# Altium PCB SEG_pressure gauge_don  V2.4.PcbDoc (part 3 of 4) (continued)
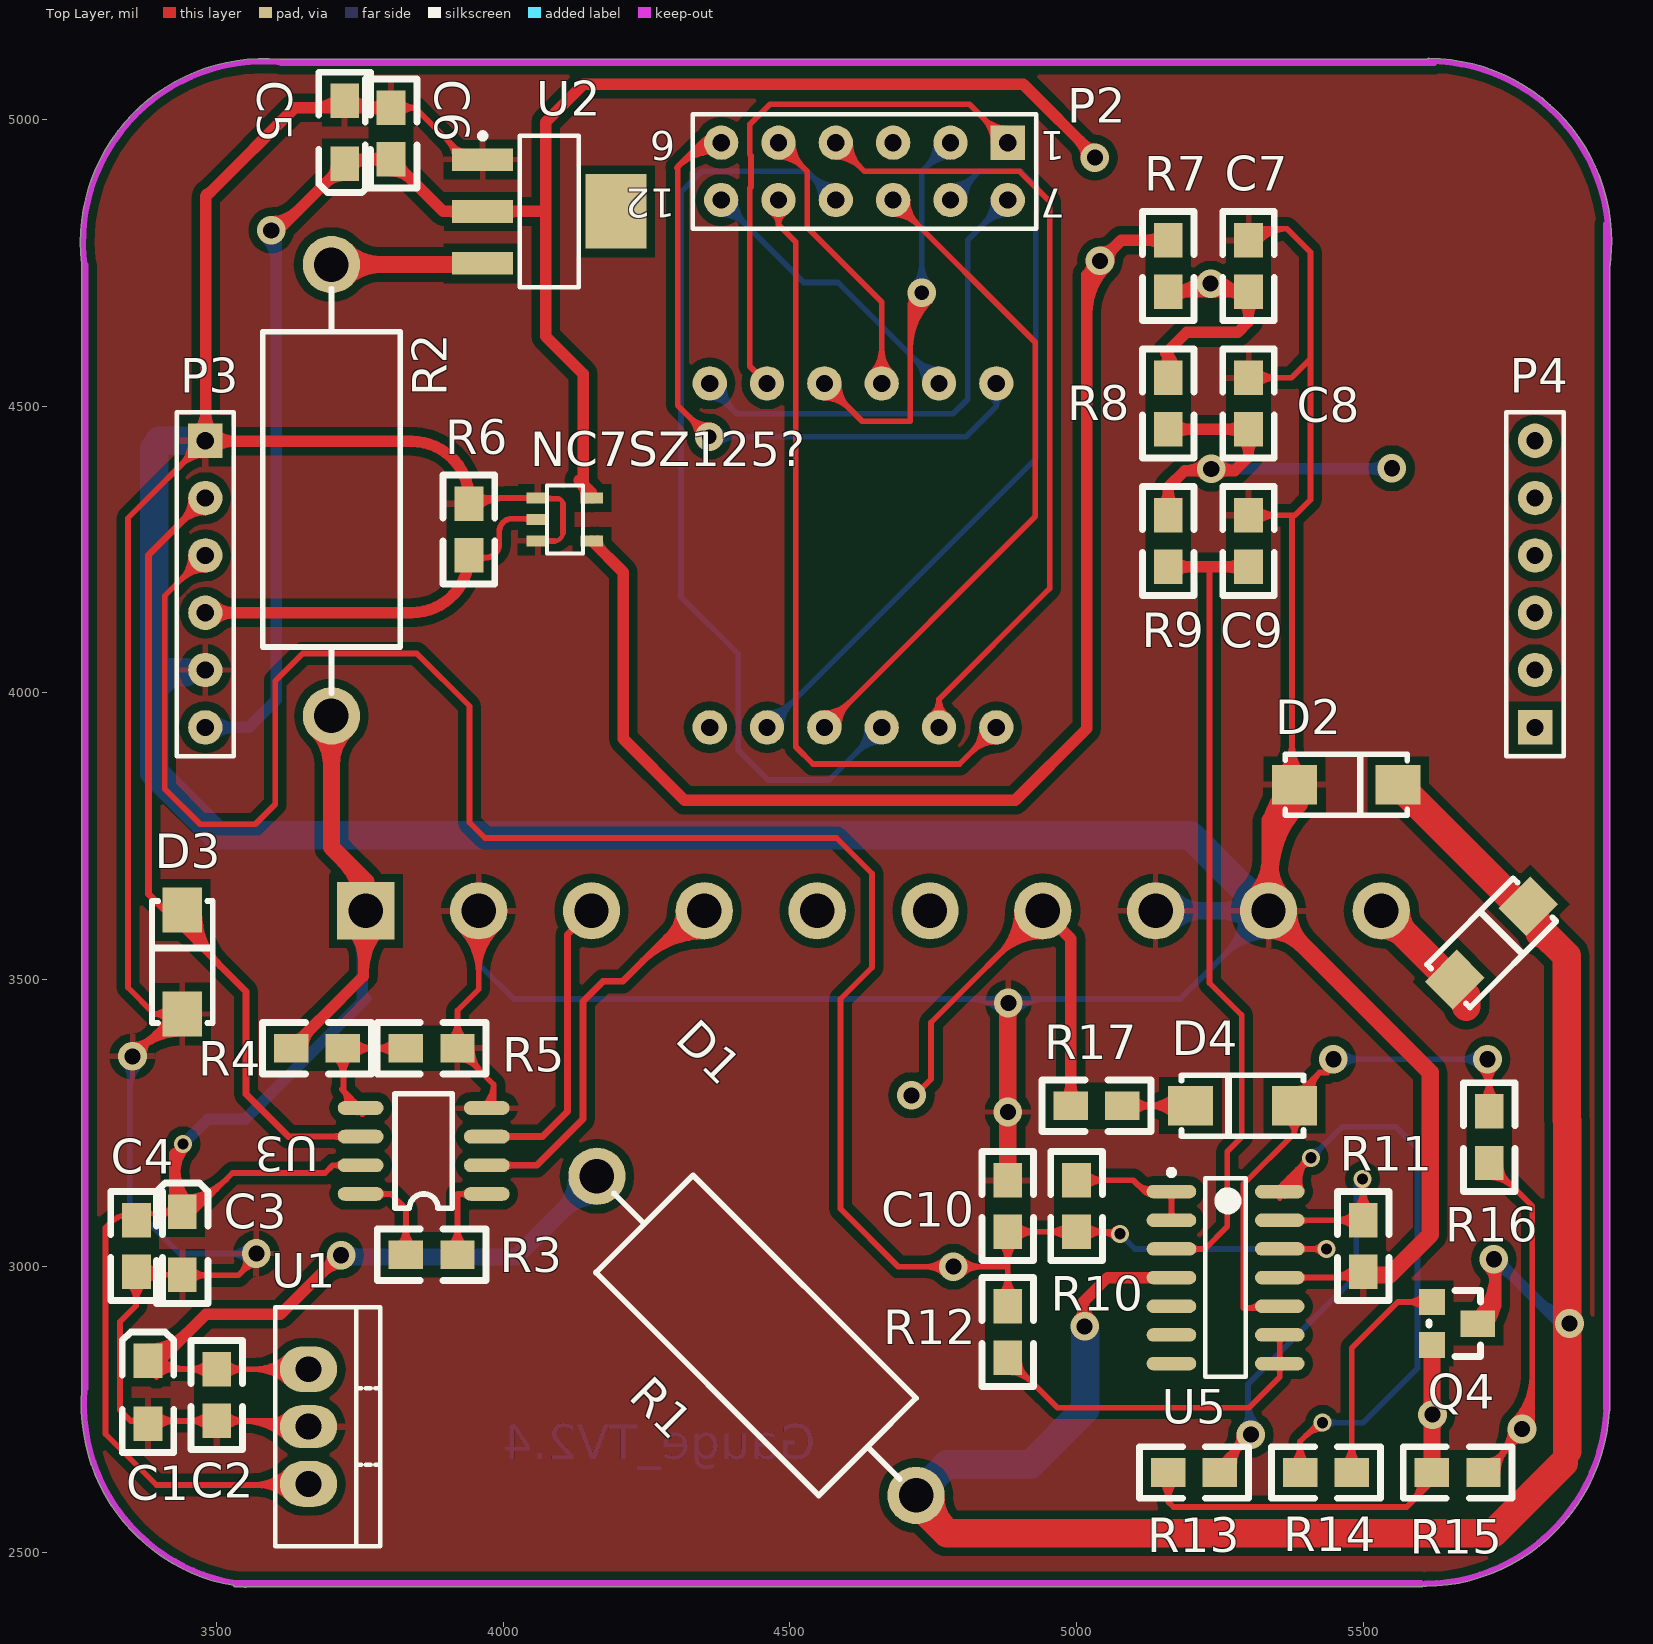
[diagram p0: Top Layer view]
## Nets (pads, with @x,y where several pads share a name; then routed paths per layer and width w, separated by ;. In a path a pad name is that pad's centre, name@x,y a point inside that pad or via, vN(x,y) a via of type N, cw(c..) or ccw(c..) an arc to the next point about the centre after c; other vN are vias at no path point) (continued)
NetR10_2: R10.2 U5.1 U5.2 | length 419.6
  Top Layer w10: R10.2@5000,3150 5099,3150 5119,3130 ; R10.2@5014.14,3135.86 cw(c5048.28,3101.72) 5048.28,3150 cw(c5048.28,3198.28) R10.2@5014.14,3164.14 ; 5106.51,3142.49 ccw(c5124.08,3160.06) U5.1@5131.88,3136.47 ; 5117.98,3131.02 ccw(c5129.78,3142.81) U5.1@5135.02,3126.97 ; U5.1@5128.89,3125.51 ccw(c5119,3116.86) 5119,3130 ; U5.1@5128.89,3134.49 cw(c5119,3143.14) 5119,3130 ; U5.2@5160.7,3084.82 ccw(c5149.07,3096.44) 5165.51,3096.44 ccw(c5181.95,3096.44) U5.2@5170.33,3084.82 ; U5.1@5160.7,3125.18 cw(c5149.07,3113.56) 5165.51,3113.56 cw(c5181.95,3113.56) U5.1@5170.33,3125.18 ; U5.2@5165.51,3080 U5.1@5165.51,3130 5119,3130
NetR11_1: R11.1 R13.2 U5.13 | length 1464.6
  Top Layer w10: R13.2@5250,2640 5250,2655 5296,2701 ccw(c5347.79,2649.21) R13.2@5274.9,2641.97 ; R13.2@5255,2640 cw(c5293.43,2643.81) 5266.12,2671.12 ; 5264.74,2669.74 cw(c5304,2630.47) v1@5304,2686 ; R13.2@5264.95,2640.99 cw(c5320.61,2646.51) 5281.06,2686.06 ; 5271.98,2676.98 ccw(c5242.96,2706) v1@5284,2706 ; 5281.81,2686.81 cw(c5304,2664.62) v1@5304,2696 ; U5.13@5384.49,3080 R11.1@5500,3080 v2@5500,3151 ; U5.13@5390.8,3075.18 cw(c5402.43,3063.56) 5402.43,3080 cw(c5402.43,3096.44) U5.13@5390.8,3084.82 ; R11.1@5485.86,3065.86 ccw(c5451.72,3031.72) 5451.72,3080 ccw(c5451.72,3128.28) R11.1@5485.86,3094.14 ; R11.1@5485.86,3099.14 ccw(c5451.72,3133.28) 5500,3133.28 ccw(c5548.28,3133.28) R11.1@5514.14,3099.14 ; v2@5491.4,3144.4 cw(c5470.64,3123.64) 5500,3123.64 ; 5500,3128.47 cw(c5522.53,3128.47) v2@5506.6,3144.4
  Bottom Layer w10: v1@5289.86,2720.14 ccw(c5267.79,2742.21) 5299,2742.21 ccw(c5340.21,2742.21) v1@5311.07,2713.07 ; v1@5299,2693 5299,2794 5488,2983 5488,3141 v2(5499,3152) ; 5299,2766.36 ccw(c5364.36,2766.36) v1@5318.14,2720.14 ; 5488,3099.5 cw(c5551.5,3099.5) v2@5506.6,3144.4 ; 5488,3123.64 cw(c5527.36,3123.64) v2@5499.53,3151.47
  other v1: 5304,2706
NetR12_1: R12.1 U5.8 U5.9 | length 788
  Top Layer w10: R12.1@4880,2815 cw(c4880,2754.64) 4922.68,2797.32 ; R12.1@4880,2825 cw(c4880,2788.79) 4905.61,2814.39 ; R12.1@4880,2840 4967,2753 5301,2753 5354.49,2806.49 5354.49,2824 U5.8@5354.49,2830 U5.9@5354.49,2880 ; R12.1@4900,2835 ccw(c4936.21,2835) 4910.61,2809.39 ; U5.8@5349.67,2825.18 cw(c5338.05,2813.56) 5354.49,2813.56 cw(c5370.93,2813.56) U5.8@5359.3,2825.18 ; U5.8@5349.67,2834.82 ccw(c5338.05,2846.44) 5354.49,2846.44 ccw(c5370.93,2846.44) U5.8@5359.3,2834.82 ; U5.9@5349.67,2875.18 cw(c5338.05,2863.56) 5354.49,2863.56 cw(c5370.93,2863.56) U5.9@5359.3,2875.18
NetR14_2: R14.2 U5.14 | length 1436.4
  Top Layer w10: U5.14@5354.49,3130 U5.14@5354.49,3137.49 ; U5.14@5354.7,3118.91 cw(c5376.69,3126.7) 5360.19,3143.19 5405,3188 ccw(c5442.83,3150.16) U5.14@5392.4,3132.28 ; U5.14@5364.13,3122.25 cw(c5393.22,3132.57) 5371.39,3154.39 ; U5.14@5373.55,3125.59 cw(c5409.76,3138.43) 5382.6,3165.6 ; R14.2@5375.86,2654.14 ccw(c5341.72,2688.28) 5390,2688.28 ccw(c5438.28,2688.28) R14.2@5404.14,2654.14 ; U5.14@5382.98,3128.93 cw(c5426.3,3144.3) 5393.8,3176.8 ; 5385.53,3168.53 cw(c5409,3145.06) v4@5409,3178.25 ; R14.2@5390,2640 5390,2694 v4@5421,2725 ; 5392.77,3175.77 ccw(c5379.55,3189) v4@5398.25,3189 ; 5400.41,2704.41 cw(c5429,2675.82) v4@5429,2716.25 ; 5414.89,2718.89 ccw(c5406.79,2727) v4@5418.25,2727
  Bottom Layer w10: v4(5409,3189) 5463,3243 5557,3243 5595,3205 5595,2822 5500,2727 v4(5429,2727) ; v4@5409,3199.75 ccw(c5409,3225.7) 5427.35,3207.35 ccw(c5445.7,3189) v4@5419.75,3189 ; v4@5436.6,2719.4 cw(c5454.95,2701.05) 5454.95,2727 cw(c5454.95,2752.95) v4@5436.6,2734.6
NetR15_2: R15.2 R16.1 | length 1157.7
  Top Layer w10: R15.2@5710,2640 5795,2725 5795,3105 R16.1@5720,3180 ; R15.2@5715,2660 ccw(c5715,2696.21) 5740.61,2670.61 ; R16.1@5720,3155 cw(c5720,3094.64) 5762.68,3137.32 ; R16.1@5720,3165 cw(c5720,3128.79) 5745.61,3154.39 ; R15.2@5725,2640 cw(c5761.21,2640) 5735.61,2665.61 ; R15.2@5735,2640 cw(c5795.36,2640) 5752.68,2682.68 ; 5736.49,2666.49 ccw(c5686.99,2716) v1@5757,2716 ; R16.1@5740,3175 ccw(c5776.21,3175) 5750.61,3149.39 ; 5753.56,2683.56 ccw(c5721.13,2716) v1@5767,2716 ; 5758.22,2688.22 cw(c5777,2669.44) v1@5777,2696 ; v1@5762.86,2730.14 ccw(c5685.26,2807.74) 5795,2807.74 ; v1@5769.93,2723.07 ccw(c5709.4,2783.6) 5795,2783.6 ; v1(5777,2716) ccw(c5733.54,2759.46) 5795,2759.46 ; v1@5784.07,2708.93 ccw(c5757.69,2735.31) 5795,2735.31
OUT4-20_1: P1.7 R17.2 | length 1226.9
  Top Layer w10: v1@4720,3300 4746,3326 4746,3424.9 P1.7@4941.1,3620 ; P1.7@4896.1,3620 cw(c4787.46,3620) 4864.28,3543.18 cw(c4941.1,3466.36) P1.7@4941.1,3575 ; P1.7@4906.1,3620 cw(c4821.6,3620) 4881.35,3560.25 cw(c4941.1,3500.5) P1.7@4941.1,3585 ; P1.7@4916.1,3620 cw(c4855.75,3620) 4898.42,3577.32 cw(c4941.1,3534.64) P1.7@4941.1,3595
  Top Layer w20: P1.7@4941.1,3620 4990,3571.1 R17.2@4990,3280 ; R17.2@4979.39,3290.61 ccw(c4953.79,3316.21) 4990,3316.21 ccw(c5026.21,3316.21) R17.2@5000.61,3290.61
  other v1: 4712,3298
OUT_A1: P1.5
OUT_B1: P1.6
PWM: NC7SZ125?.2 P3.4 R6.1 | length 812.7
  Top Layer w10: R6.1@3940,4240 ccw(c3944,4240) 3944,4236 3969,4236 ; R6.1@3958.34,4242.99 ccw(c3969,4247.63) 3969,4236 ; R6.1@3959,4228.76 cw(c3969,4225.48) 3969,4236 ; 4035.08,4304 cw(c4035.08,4287.52) NC7SZ125?.2@4046.73,4299.17 ; 3969,4236 ccw(c3969,4260) 3993,4260 3993,4282 cw(c4015,4282) 4015,4304 NC7SZ125?.2@4058.6,4304 ; NC7SZ125?.2@4058.6,4304 cw(c4058.6,4302.6) NC7SZ125?.2@4060,4302.6 ; NC7SZ125?.2@4058.6,4304 cw(c4058.6,4302.6) NC7SZ125?.2@4060,4302.6 ; NC7SZ125?.2@4059.4,4302 ccw(c4059.4,4302.6) NC7SZ125?.2@4060,4302.6 ; NC7SZ125?.2@4059.4,4302 ccw(c4059.4,4302.6) NC7SZ125?.2@4060,4302.6 ; NC7SZ125?.2@4059.4,4302 ccw(c4059.4,4302.6) NC7SZ125?.2@4060,4302.6 ; NC7SZ125?.2@4059.4,4302 ccw(c4059.4,4302.6) NC7SZ125?.2@4060,4302.6 ; NC7SZ125?.2@4059.4,4302 ccw(c4059.4,4302.6) NC7SZ125?.2@4060,4302.6 ; NC7SZ125?.2@4059.4,4302 ccw(c4059.4,4302.6) NC7SZ125?.2@4060,4302.6 ; NC7SZ125?.2@4059.4,4302 ccw(c4059.4,4302.6) NC7SZ125?.2@4060,4302.6
  Top Layer w20: P3.4@3480,4140 3840,4140 ccw(c3840,4240) R6.1@3940,4240 ; P3.4@3494.14,4125.86 cw(c3528.28,4091.72) 3528.28,4140 cw(c3528.28,4188.28) P3.4@3494.14,4154.14
RX: P4.5
SEG1: P2.12 U4.a | length 2484.5
  Bottom Layer w8: P2.12@4380,4834 cw(c4380,4771.23) 4424.38,4815.62 ; P2.12@4380,4834 cw(c4380,4771.23) 4424.38,4815.62 ; P2.12@4380,4834 cw(c4380,4771.23) 4424.38,4815.62 ; P2.12@4380,4834 cw(c4380,4771.23) 4424.38,4815.62 ; P2.12@4380,4834 cw(c4380,4771.23) 4424.38,4815.62 ; P2.12@4380,4842 cw(c4380,4798.54) 4410.73,4829.27 ; P2.12@4380,4842 cw(c4380,4798.54) 4410.73,4829.27 ; P2.12@4380,4842 cw(c4380,4798.54) 4410.73,4829.27 ; P2.12@4380,4842 cw(c4380,4798.54) 4410.73,4829.27 ; P2.12@4380,4842 cw(c4380,4798.54) 4410.73,4829.27 ; P2.12@4398,4860 ccw(c4441.46,4860) 4410.73,4829.27 ; P2.12@4398,4860 ccw(c4441.46,4860) 4410.73,4829.27 ; P2.12@4398,4860 ccw(c4441.46,4860) 4410.73,4829.27 ; P2.12@4398,4860 ccw(c4441.46,4860) 4410.73,4829.27 ; P2.12@4398,4860 ccw(c4441.46,4860) 4410.73,4829.27 ; P2.12@4406,4860 ccw(c4468.77,4860) 4424.38,4815.62 ; P2.12@4406,4860 ccw(c4468.77,4860) 4424.38,4815.62 ; P2.12@4406,4860 ccw(c4468.77,4860) 4424.38,4815.62 ; P2.12@4406,4860 ccw(c4468.77,4860) 4424.38,4815.62 ; P2.12@4406,4860 ccw(c4468.77,4860) 4424.38,4815.62 ; 4715.62,4584.38 cw(c4671.23,4540) U4.a@4734,4540 ; 4715.62,4584.38 ccw(c4760,4628.77) U4.a@4760,4566 ; 4715.62,4584.38 cw(c4671.23,4540) U4.a@4734,4540 ; 4715.62,4584.38 ccw(c4760,4628.77) U4.a@4760,4566 ; 4715.62,4584.38 cw(c4671.23,4540) U4.a@4734,4540 ; 4715.62,4584.38 ccw(c4760,4628.77) U4.a@4760,4566 ; 4715.62,4584.38 ccw(c4760,4628.77) U4.a@4760,4566 ; 4715.62,4584.38 cw(c4671.23,4540) U4.a@4734,4540 ; 4715.62,4584.38 ccw(c4760,4628.77) U4.a@4760,4566 ; 4715.62,4584.38 cw(c4671.23,4540) U4.a@4734,4540 ; 4729.27,4570.73 cw(c4698.54,4540) U4.a@4742,4540 ; 4729.27,4570.73 ccw(c4760,4601.46) U4.a@4760,4558 ; 4729.27,4570.73 cw(c4698.54,4540) U4.a@4742,4540 ; 4729.27,4570.73 ccw(c4760,4601.46) U4.a@4760,4558 ; 4729.27,4570.73 cw(c4698.54,4540) U4.a@4742,4540 ; 4729.27,4570.73 ccw(c4760,4601.46) U4.a@4760,4558 ; 4729.27,4570.73 ccw(c4760,4601.46) U4.a@4760,4558 ; 4729.27,4570.73 cw(c4698.54,4540) U4.a@4742,4540 ; 4729.27,4570.73 ccw(c4760,4601.46) U4.a@4760,4558 ; 4729.27,4570.73 cw(c4698.54,4540) U4.a@4742,4540
  Bottom Layer w10: P2.12@4380,4835 cw(c4380,4774.64) 4422.68,4817.32 cw(c4465.36,4860) P2.12@4405,4860 ; P2.12@4380,4845 cw(c4380,4808.79) 4405.61,4834.39 cw(c4431.21,4860) P2.12@4395,4860 ; P2.12@4380,4860 4524,4716 4584,4716 U4.a@4760,4540 ; U4.a@4735,4540 ccw(c4674.64,4540) 4717.32,4582.68 ccw(c4760,4625.36) U4.a@4760,4565 ; U4.a@4745,4540 ccw(c4708.79,4540) 4734.39,4565.61 ccw(c4760,4591.21) U4.a@4760,4555
SEG2: P2.7 U4.b | length 2686.4
  Bottom Layer w8: U4.b@4360,4514 cw(c4360,4465.72) 4394.14,4499.86 ; U4.b@4360,4514 cw(c4360,4465.72) 4394.14,4499.86 ; U4.b@4360,4514 cw(c4360,4465.72) 4394.14,4499.86 ; U4.b@4360,4514 cw(c4360,4465.72) 4394.14,4499.86 ; U4.b@4360,4514 cw(c4360,4465.72) 4394.14,4499.86 ; U4.b@4360,4522 cw(c4360,4493.03) 4380.49,4513.51 ; U4.b@4360,4522 cw(c4360,4493.03) 4380.49,4513.51 ; U4.b@4360,4522 cw(c4360,4493.03) 4380.49,4513.51 ; U4.b@4360,4522 cw(c4360,4493.03) 4380.49,4513.51 ; U4.b@4360,4522 cw(c4360,4493.03) 4380.49,4513.51 ; U4.b@4377.83,4537.53 ccw(c4415.55,4532.31) 4388.62,4505.38 ; U4.b@4377.83,4537.53 ccw(c4415.55,4532.31) 4388.62,4505.38 ; U4.b@4377.83,4537.53 ccw(c4415.55,4532.31) 4388.62,4505.38 ; U4.b@4377.83,4537.53 ccw(c4415.55,4532.31) 4388.62,4505.38 ; U4.b@4377.83,4537.53 ccw(c4415.55,4532.31) 4388.62,4505.38 ; U4.b@4385.75,4536.43 ccw(c4435.53,4529.54) 4400,4494 ; U4.b@4385.75,4536.43 ccw(c4435.53,4529.54) 4400,4494 ; U4.b@4385.75,4536.43 ccw(c4435.53,4529.54) 4400,4494 ; U4.b@4385.75,4536.43 ccw(c4435.53,4529.54) 4400,4494 ; U4.b@4385.75,4536.43 ccw(c4435.53,4529.54) 4400,4494 ; 4835.62,4815.62 cw(c4880,4771.23) P2.7@4880,4834 ; 4835.62,4815.62 ccw(c4791.23,4860) P2.7@4854,4860 ; 4835.62,4815.62 cw(c4880,4771.23) P2.7@4880,4834 ; 4835.62,4815.62 ccw(c4791.23,4860) P2.7@4854,4860 ; 4835.62,4815.62 cw(c4880,4771.23) P2.7@4880,4834 ; 4835.62,4815.62 ccw(c4791.23,4860) P2.7@4854,4860 ; 4835.62,4815.62 ccw(c4791.23,4860) P2.7@4854,4860 ; 4835.62,4815.62 cw(c4880,4771.23) P2.7@4880,4834 ; 4835.62,4815.62 ccw(c4791.23,4860) P2.7@4854,4860 ; 4835.62,4815.62 cw(c4880,4771.23) P2.7@4880,4834 ; 4849.27,4829.27 cw(c4880,4798.54) P2.7@4880,4842 ; 4849.27,4829.27 ccw(c4818.54,4860) P2.7@4862,4860 ; 4849.27,4829.27 cw(c4880,4798.54) P2.7@4880,4842 ; 4849.27,4829.27 ccw(c4818.54,4860) P2.7@4862,4860 ; 4849.27,4829.27 cw(c4880,4798.54) P2.7@4880,4842 ; 4849.27,4829.27 ccw(c4818.54,4860) P2.7@4862,4860 ; 4849.27,4829.27 ccw(c4818.54,4860) P2.7@4862,4860 ; 4849.27,4829.27 cw(c4880,4798.54) P2.7@4880,4842 ; 4849.27,4829.27 ccw(c4818.54,4860) P2.7@4862,4860 ; 4849.27,4829.27 cw(c4880,4798.54) P2.7@4880,4842
  Bottom Layer w10: U4.b@4360,4515 cw(c4360,4469.13) 4392.44,4501.56 ; U4.b@4360,4540 4360,4534 4407,4487 4784.5,4487 4810,4512.5 4810,4790 P2.7@4880,4860 ; U4.b@4374.99,4539.35 ccw(c4419.27,4537.42) 4387.93,4506.07 ; U4.b@4384.98,4538.91 ccw(c4450.07,4536.07) 4404,4490 ; P2.7@4855,4860 cw(c4794.64,4860) 4837.32,4817.32 cw(c4880,4774.64) P2.7@4880,4835 ; P2.7@4865,4860 cw(c4828.79,4860) 4854.39,4834.39 cw(c4880,4808.79) P2.7@4880,4845
SEG3: P2.9 U4.c | length 3147.1
  Top Layer w8: U4.c@4560,3958 ccw(c4560,4001.46) 4590.73,3970.73 ; U4.c@4560,3958 ccw(c4560,4001.46) 4590.73,3970.73 ; U4.c@4560,3958 ccw(c4560,4001.46) 4590.73,3970.73 ; U4.c@4560,3958 ccw(c4560,4001.46) 4590.73,3970.73 ; U4.c@4560,3958 ccw(c4560,4001.46) 4590.73,3970.73 ; U4.c@4560,3966 ccw(c4560,4028.77) 4604.38,3984.38 ; U4.c@4560,3966 ccw(c4560,4028.77) 4604.38,3984.38 ; U4.c@4560,3966 ccw(c4560,4028.77) 4604.38,3984.38 ; U4.c@4560,3966 ccw(c4560,4028.77) 4604.38,3984.38 ; U4.c@4560,3966 ccw(c4560,4028.77) 4604.38,3984.38 ; U4.c@4578,3940 cw(c4621.46,3940) 4590.73,3970.73 ; U4.c@4578,3940 cw(c4621.46,3940) 4590.73,3970.73 ; U4.c@4578,3940 cw(c4621.46,3940) 4590.73,3970.73 ; U4.c@4578,3940 cw(c4621.46,3940) 4590.73,3970.73 ; U4.c@4578,3940 cw(c4621.46,3940) 4590.73,3970.73 ; U4.c@4586,3940 cw(c4648.77,3940) 4604.38,3984.38 ; U4.c@4586,3940 cw(c4648.77,3940) 4604.38,3984.38 ; U4.c@4586,3940 cw(c4648.77,3940) 4604.38,3984.38 ; U4.c@4586,3940 cw(c4648.77,3940) 4604.38,3984.38 ; U4.c@4586,3940 cw(c4648.77,3940) 4604.38,3984.38 ; P2.9@4680,4834 cw(c4680,4771.23) 4724.38,4815.62 ; P2.9@4680,4834 cw(c4680,4771.23) 4724.38,4815.62 ; P2.9@4680,4834 cw(c4680,4771.23) 4724.38,4815.62 ; P2.9@4680,4834 cw(c4680,4771.23) 4724.38,4815.62 ; P2.9@4680,4834 cw(c4680,4771.23) 4724.38,4815.62 ; P2.9@4680,4842 cw(c4680,4798.54) 4710.73,4829.27 ; P2.9@4680,4842 cw(c4680,4798.54) 4710.73,4829.27 ; P2.9@4680,4842 cw(c4680,4798.54) 4710.73,4829.27 ; P2.9@4680,4842 cw(c4680,4798.54) 4710.73,4829.27 ; P2.9@4680,4842 cw(c4680,4798.54) 4710.73,4829.27 ; P2.9@4698,4860 ccw(c4741.46,4860) 4710.73,4829.27 ; P2.9@4698,4860 ccw(c4741.46,4860) 4710.73,4829.27 ; P2.9@4698,4860 ccw(c4741.46,4860) 4710.73,4829.27 ; P2.9@4698,4860 ccw(c4741.46,4860) 4710.73,4829.27 ; P2.9@4698,4860 ccw(c4741.46,4860) 4710.73,4829.27 ; P2.9@4706,4860 ccw(c4768.77,4860) 4724.38,4815.62 ; P2.9@4706,4860 ccw(c4768.77,4860) 4724.38,4815.62 ; P2.9@4706,4860 ccw(c4768.77,4860) 4724.38,4815.62 ; P2.9@4706,4860 ccw(c4768.77,4860) 4724.38,4815.62 ; P2.9@4706,4860 ccw(c4768.77,4860) 4724.38,4815.62
  Top Layer w10: U4.c@4560,3940 4928,4308 4928,4612 P2.9@4680,4860 ; U4.c@4560,3955 ccw(c4560,3991.21) 4585.61,3965.61 ccw(c4611.21,3940) U4.c@4575,3940 ; U4.c@4560,3965 ccw(c4560,4025.36) 4602.68,3982.68 ccw(c4645.36,3940) U4.c@4585,3940 ; P2.9@4680,4835 cw(c4680,4774.64) 4722.68,4817.32 cw(c4765.36,4860) P2.9@4705,4860 ; P2.9@4680,4845 cw(c4680,4808.79) 4705.61,4834.39 cw(c4731.21,4860) P2.9@4695,4860
SEG4: P2.4 U4.d | length 3013.7
  Top Layer w8: P2.4@4580,4934 cw(c4580,4871.23) 4624.38,4915.62 ; P2.4@4580,4934 cw(c4580,4871.23) 4624.38,4915.62 ; P2.4@4580,4934 cw(c4580,4871.23) 4624.38,4915.62 ; P2.4@4580,4934 cw(c4580,4871.23) 4624.38,4915.62 ; P2.4@4580,4934 cw(c4580,4871.23) 4624.38,4915.62 ; P2.4@4580,4942 cw(c4580,4898.54) 4610.73,4929.27 ; P2.4@4580,4942 cw(c4580,4898.54) 4610.73,4929.27 ; P2.4@4580,4942 cw(c4580,4898.54) 4610.73,4929.27 ; P2.4@4580,4942 cw(c4580,4898.54) 4610.73,4929.27 ; P2.4@4580,4942 cw(c4580,4898.54) 4610.73,4929.27 ; P2.4@4598,4960 ccw(c4641.46,4960) 4610.73,4929.27 ; P2.4@4598,4960 ccw(c4641.46,4960) 4610.73,4929.27 ; P2.4@4598,4960 ccw(c4641.46,4960) 4610.73,4929.27 ; P2.4@4598,4960 ccw(c4641.46,4960) 4610.73,4929.27 ; P2.4@4598,4960 ccw(c4641.46,4960) 4610.73,4929.27 ; P2.4@4606,4960 ccw(c4668.77,4960) 4624.38,4915.62 ; P2.4@4606,4960 ccw(c4668.77,4960) 4624.38,4915.62 ; P2.4@4606,4960 ccw(c4668.77,4960) 4624.38,4915.62 ; P2.4@4606,4960 ccw(c4668.77,4960) 4624.38,4915.62 ; P2.4@4606,4960 ccw(c4668.77,4960) 4624.38,4915.62 ; U4.d@4745.42,3961.53 ccw(c4726.83,3989) 4760,3989 ; U4.d@4745.42,3961.53 ccw(c4726.83,3989) 4760,3989 ; U4.d@4745.42,3961.53 ccw(c4726.83,3989) 4760,3989 ; U4.d@4745.42,3961.53 ccw(c4726.83,3989) 4760,3989 ; U4.d@4745.42,3961.53 ccw(c4726.83,3989) 4760,3989 ; U4.d@4749.91,3954.91 ccw(c4737.04,3973.92) 4760,3973.92 ; U4.d@4749.91,3954.91 ccw(c4737.04,3973.92) 4760,3973.92 ; U4.d@4749.91,3954.91 ccw(c4737.04,3973.92) 4760,3973.92 ; U4.d@4749.91,3954.91 ccw(c4737.04,3973.92) 4760,3973.92 ; U4.d@4749.91,3954.91 ccw(c4737.04,3973.92) 4760,3973.92 ; 4760,3973.92 ccw(c4782.96,3973.92) U4.d@4770.09,3954.91 ; 4760,3973.92 ccw(c4782.96,3973.92) U4.d@4770.09,3954.91 ; 4760,3973.92 ccw(c4782.96,3973.92) U4.d@4770.09,3954.91 ; 4760,3973.92 ccw(c4782.96,3973.92) U4.d@4770.09,3954.91 ; 4760,3973.92 ccw(c4782.96,3973.92) U4.d@4770.09,3954.91 ; 4760,3989 ccw(c4793.17,3989) U4.d@4774.58,3961.53 ; 4760,3989 ccw(c4793.17,3989) U4.d@4774.58,3961.53 ; 4760,3989 ccw(c4793.17,3989) U4.d@4774.58,3961.53 ; 4760,3989 ccw(c4793.17,3989) U4.d@4774.58,3961.53 ; 4760,3989 ccw(c4793.17,3989) U4.d@4774.58,3961.53
  Top Layer w10: P2.4@4580,4935 cw(c4580,4874.64) 4622.68,4917.32 cw(c4665.36,4960) P2.4@4605,4960 ; P2.4@4580,4945 cw(c4580,4908.79) 4605.61,4934.39 cw(c4631.21,4960) P2.4@4595,4960 ; P2.4@4580,4960 4630,4910 4900.71,4910 4953,4857.71 4953,4182 4760,3989 ; U4.d@4745.33,3960.24 ccw(c4724.48,3989) 4760,3989 ; U4.d@4760,3940 4760,3989 ; U4.d@4774.67,3960.24 cw(c4795.52,3989) 4760,3989
SEG5: P2.11 U4.e | length 2638.2
  Top Layer w8: P2.11@4467.92,4836.98 cw(c4457.45,4817) 4480,4817 ; P2.11@4467.92,4836.98 cw(c4457.45,4817) 4480,4817 ; P2.11@4467.92,4836.98 cw(c4457.45,4817) 4480,4817 ; P2.11@4467.92,4836.98 cw(c4457.45,4817) 4480,4817 ; P2.11@4467.92,4836.98 cw(c4457.45,4817) 4480,4817 ; 4480,4817 cw(c4502.55,4817) P2.11@4492.08,4836.98 ; 4480,4817 cw(c4502.55,4817) P2.11@4492.08,4836.98 ; 4480,4817 cw(c4502.55,4817) P2.11@4492.08,4836.98 ; 4480,4817 cw(c4502.55,4817) P2.11@4492.08,4836.98 ; 4480,4817 cw(c4502.55,4817) P2.11@4492.08,4836.98 ; 4815.62,3895.62 cw(c4860,3851.23) U4.e@4860,3914 ; 4815.62,3895.62 ccw(c4771.23,3940) U4.e@4834,3940 ; 4815.62,3895.62 cw(c4860,3851.23) U4.e@4860,3914 ; 4815.62,3895.62 ccw(c4771.23,3940) U4.e@4834,3940 ; 4815.62,3895.62 cw(c4860,3851.23) U4.e@4860,3914 ; 4815.62,3895.62 ccw(c4771.23,3940) U4.e@4834,3940 ; 4815.62,3895.62 ccw(c4771.23,3940) U4.e@4834,3940 ; 4815.62,3895.62 cw(c4860,3851.23) U4.e@4860,3914 ; 4815.62,3895.62 ccw(c4771.23,3940) U4.e@4834,3940 ; 4815.62,3895.62 cw(c4860,3851.23) U4.e@4860,3914 ; 4829.27,3909.27 cw(c4860,3878.54) U4.e@4860,3922 ; 4829.27,3909.27 ccw(c4798.54,3940) U4.e@4842,3940 ; 4829.27,3909.27 cw(c4860,3878.54) U4.e@4860,3922 ; 4829.27,3909.27 ccw(c4798.54,3940) U4.e@4842,3940 ; 4829.27,3909.27 cw(c4860,3878.54) U4.e@4860,3922 ; 4829.27,3909.27 ccw(c4798.54,3940) U4.e@4842,3940 ; 4829.27,3909.27 ccw(c4798.54,3940) U4.e@4842,3940 ; 4829.27,3909.27 cw(c4860,3878.54) U4.e@4860,3922 ; 4829.27,3909.27 ccw(c4798.54,3940) U4.e@4842,3940 ; 4829.27,3909.27 cw(c4860,3878.54) U4.e@4860,3922
  Top Layer w10: P2.11@4467.63,4838.27 cw(c4455.52,4817) 4480,4817 ; P2.11@4480,4860 4480,4817 ; P2.11@4492.37,4838.27 ccw(c4504.48,4817) 4480,4817 ; U4.e@4835,3940 cw(c4774.64,3940) 4817.32,3897.32 cw(c4860,3854.64) U4.e@4860,3915 ; U4.e@4845,3940 cw(c4808.79,3940) 4834.39,3914.39 cw(c4860,3888.79) U4.e@4860,3925 ; U4.e@4860,3940 4796,3876 4540,3876 4510,3906 4510,4787 4480,4817
SEG6: P2.5 U4.f | length 2466.5
  Top Layer w8: P2.5@4480,4934 cw(c4480,4871.23) 4524.38,4915.62 ; P2.5@4480,4934 cw(c4480,4871.23) 4524.38,4915.62 ; P2.5@4480,4934 cw(c4480,4871.23) 4524.38,4915.62 ; P2.5@4480,4934 cw(c4480,4871.23) 4524.38,4915.62 ; P2.5@4480,4934 cw(c4480,4871.23) 4524.38,4915.62 ; P2.5@4480,4942 cw(c4480,4898.54) 4510.73,4929.27 ; P2.5@4480,4942 cw(c4480,4898.54) 4510.73,4929.27 ; P2.5@4480,4942 cw(c4480,4898.54) 4510.73,4929.27 ; P2.5@4480,4942 cw(c4480,4898.54) 4510.73,4929.27 ; P2.5@4480,4942 cw(c4480,4898.54) 4510.73,4929.27 ; P2.5@4498,4960 ccw(c4541.46,4960) 4510.73,4929.27 ; P2.5@4498,4960 ccw(c4541.46,4960) 4510.73,4929.27 ; P2.5@4498,4960 ccw(c4541.46,4960) 4510.73,4929.27 ; P2.5@4498,4960 ccw(c4541.46,4960) 4510.73,4929.27 ; P2.5@4498,4960 ccw(c4541.46,4960) 4510.73,4929.27 ; P2.5@4506,4960 ccw(c4568.77,4960) 4524.38,4915.62 ; P2.5@4506,4960 ccw(c4568.77,4960) 4524.38,4915.62 ; P2.5@4506,4960 ccw(c4568.77,4960) 4524.38,4915.62 ; P2.5@4506,4960 ccw(c4568.77,4960) 4524.38,4915.62 ; P2.5@4506,4960 ccw(c4568.77,4960) 4524.38,4915.62 ; U4.f@4641.62,4558.38 ccw(c4597.23,4602.77) 4660,4602.77 ; U4.f@4641.62,4558.38 ccw(c4597.23,4602.77) 4660,4602.77 ; U4.f@4641.62,4558.38 ccw(c4597.23,4602.77) 4660,4602.77 ; U4.f@4641.62,4558.38 ccw(c4597.23,4602.77) 4660,4602.77 ; U4.f@4641.62,4558.38 ccw(c4597.23,4602.77) 4660,4602.77 ; U4.f@4647.27,4552.73 ccw(c4616.54,4583.46) 4660,4583.46 ; U4.f@4647.27,4552.73 ccw(c4616.54,4583.46) 4660,4583.46 ; U4.f@4647.27,4552.73 ccw(c4616.54,4583.46) 4660,4583.46 ; U4.f@4647.27,4552.73 ccw(c4616.54,4583.46) 4660,4583.46 ; U4.f@4647.27,4552.73 ccw(c4616.54,4583.46) 4660,4583.46 ; 4660,4583.46 ccw(c4703.46,4583.46) U4.f@4672.73,4552.73 ; 4660,4583.46 ccw(c4703.46,4583.46) U4.f@4672.73,4552.73 ; 4660,4583.46 ccw(c4703.46,4583.46) U4.f@4672.73,4552.73 ; 4660,4583.46 ccw(c4703.46,4583.46) U4.f@4672.73,4552.73 ; 4660,4583.46 ccw(c4703.46,4583.46) U4.f@4672.73,4552.73 ; 4660,4602.77 ccw(c4722.77,4602.77) U4.f@4678.38,4558.38 ; 4660,4602.77 ccw(c4722.77,4602.77) U4.f@4678.38,4558.38 ; 4660,4602.77 ccw(c4722.77,4602.77) U4.f@4678.38,4558.38 ; 4660,4602.77 ccw(c4722.77,4602.77) U4.f@4678.38,4558.38 ; 4660,4602.77 ccw(c4722.77,4602.77) U4.f@4678.38,4558.38
  Top Layer w10: P2.5@4480,4935 cw(c4480,4874.64) 4522.68,4917.32 cw(c4565.36,4960) P2.5@4505,4960 ; P2.5@4480,4945 cw(c4480,4908.79) 4505.61,4934.39 cw(c4531.21,4960) P2.5@4495,4960 ; P2.5@4480,4960 4530,4910 4530,4812 4660,4682 U4.f@4660,4540 ; U4.f@4642.32,4557.68 ccw(c4599.64,4600.36) 4660,4600.36 ccw(c4720.36,4600.36) U4.f@4677.68,4557.68 ; U4.f@4649.39,4550.61 ccw(c4623.79,4576.21) 4660,4576.21 ccw(c4696.21,4576.21) U4.f@4670.61,4550.61
SEG7: P2.8 U4.g | length 3291.5
  Bottom Layer w8: U4.g@4460,3958 ccw(c4460,4001.46) 4490.73,3970.73 ; U4.g@4460,3958 ccw(c4460,4001.46) 4490.73,3970.73 ; U4.g@4460,3958 ccw(c4460,4001.46) 4490.73,3970.73 ; U4.g@4460,3958 ccw(c4460,4001.46) 4490.73,3970.73 ; U4.g@4460,3958 ccw(c4460,4001.46) 4490.73,3970.73 ; U4.g@4460,3966 ccw(c4460,4028.77) 4504.38,3984.38 ; U4.g@4460,3966 ccw(c4460,4028.77) 4504.38,3984.38 ; U4.g@4460,3966 ccw(c4460,4028.77) 4504.38,3984.38 ; U4.g@4460,3966 ccw(c4460,4028.77) 4504.38,3984.38 ; U4.g@4460,3966 ccw(c4460,4028.77) 4504.38,3984.38 ; U4.g@4478,3940 cw(c4521.46,3940) 4490.73,3970.73 ; U4.g@4478,3940 cw(c4521.46,3940) 4490.73,3970.73 ; U4.g@4478,3940 cw(c4521.46,3940) 4490.73,3970.73 ; U4.g@4478,3940 cw(c4521.46,3940) 4490.73,3970.73 ; U4.g@4478,3940 cw(c4521.46,3940) 4490.73,3970.73 ; U4.g@4486,3940 cw(c4548.77,3940) 4504.38,3984.38 ; U4.g@4486,3940 cw(c4548.77,3940) 4504.38,3984.38 ; U4.g@4486,3940 cw(c4548.77,3940) 4504.38,3984.38 ; U4.g@4486,3940 cw(c4548.77,3940) 4504.38,3984.38 ; U4.g@4486,3940 cw(c4548.77,3940) 4504.38,3984.38 ; P2.8@4780,4878 ccw(c4780,4921.46) 4810.73,4890.73 ; P2.8@4780,4878 ccw(c4780,4921.46) 4810.73,4890.73 ; P2.8@4780,4878 ccw(c4780,4921.46) 4810.73,4890.73 ; P2.8@4780,4878 ccw(c4780,4921.46) 4810.73,4890.73 ; P2.8@4780,4878 ccw(c4780,4921.46) 4810.73,4890.73 ; P2.8@4780,4886 ccw(c4780,4948.77) 4824.38,4904.38 ; P2.8@4780,4886 ccw(c4780,4948.77) 4824.38,4904.38 ; P2.8@4780,4886 ccw(c4780,4948.77) 4824.38,4904.38 ; P2.8@4780,4886 ccw(c4780,4948.77) 4824.38,4904.38 ; P2.8@4780,4886 ccw(c4780,4948.77) 4824.38,4904.38 ; P2.8@4798,4860 cw(c4841.46,4860) 4810.73,4890.73 ; P2.8@4798,4860 cw(c4841.46,4860) 4810.73,4890.73 ; P2.8@4798,4860 cw(c4841.46,4860) 4810.73,4890.73 ; P2.8@4798,4860 cw(c4841.46,4860) 4810.73,4890.73 ; P2.8@4798,4860 cw(c4841.46,4860) 4810.73,4890.73 ; P2.8@4806,4860 cw(c4868.77,4860) 4824.38,4904.38 ; P2.8@4806,4860 cw(c4868.77,4860) 4824.38,4904.38 ; P2.8@4806,4860 cw(c4868.77,4860) 4824.38,4904.38 ; P2.8@4806,4860 cw(c4868.77,4860) 4824.38,4904.38 ; P2.8@4806,4860 cw(c4868.77,4860) 4824.38,4904.38
  Bottom Layer w10: U4.g@4460,3940 4929,4409 4929,4838.29 4930,4839.29 4930,4883 4903,4910 4830,4910 P2.8@4780,4860 ; U4.g@4460,3955 ccw(c4460,3991.21) 4485.61,3965.61 ccw(c4511.21,3940) U4.g@4475,3940 ; U4.g@4460,3965 ccw(c4460,4025.36) 4502.68,3982.68 ccw(c4545.36,3940) U4.g@4485,3940 ; P2.8@4780,4875 ccw(c4780,4911.21) 4805.61,4885.61 ccw(c4831.21,4860) P2.8@4795,4860 ; P2.8@4780,4885 ccw(c4780,4945.36) 4822.68,4902.68 ccw(c4865.36,4860) P2.8@4805,4860
SEG8: P2.10 U4.dot | length 3602.7
  Bottom Layer w8: 4535.62,4904.38 cw(c4491.23,4860) P2.10@4554,4860 ; 4535.62,4904.38 ccw(c4580,4948.77) P2.10@4580,4886 ; 4535.62,4904.38 cw(c4491.23,4860) P2.10@4554,4860 ; 4535.62,4904.38 ccw(c4580,4948.77) P2.10@4580,4886 ; 4535.62,4904.38 cw(c4491.23,4860) P2.10@4554,4860 ; 4535.62,4904.38 ccw(c4580,4948.77) P2.10@4580,4886 ; 4535.62,4904.38 ccw(c4580,4948.77) P2.10@4580,4886 ; 4535.62,4904.38 cw(c4491.23,4860) P2.10@4554,4860 ; 4535.62,4904.38 ccw(c4580,4948.77) P2.10@4580,4886 ; 4535.62,4904.38 cw(c4491.23,4860) P2.10@4554,4860 ; 4549.27,4890.73 cw(c4518.54,4860) P2.10@4562,4860 ; 4549.27,4890.73 ccw(c4580,4921.46) P2.10@4580,4878 ; 4549.27,4890.73 cw(c4518.54,4860) P2.10@4562,4860 ; 4549.27,4890.73 ccw(c4580,4921.46) P2.10@4580,4878 ; 4549.27,4890.73 cw(c4518.54,4860) P2.10@4562,4860 ; 4549.27,4890.73 ccw(c4580,4921.46) P2.10@4580,4878 ; 4549.27,4890.73 ccw(c4580,4921.46) P2.10@4580,4878 ; 4549.27,4890.73 cw(c4518.54,4860) P2.10@4562,4860 ; 4549.27,4890.73 ccw(c4580,4921.46) P2.10@4580,4878 ; 4549.27,4890.73 cw(c4518.54,4860) P2.10@4562,4860 ; 4615.62,3895.62 cw(c4660,3851.23) U4.dot@4660,3914 ; 4615.62,3895.62 ccw(c4571.23,3940) U4.dot@4634,3940 ; 4615.62,3895.62 cw(c4660,3851.23) U4.dot@4660,3914 ; 4615.62,3895.62 ccw(c4571.23,3940) U4.dot@4634,3940 ; 4615.62,3895.62 cw(c4660,3851.23) U4.dot@4660,3914 ; 4615.62,3895.62 ccw(c4571.23,3940) U4.dot@4634,3940 ; 4615.62,3895.62 ccw(c4571.23,3940) U4.dot@4634,3940 ; 4615.62,3895.62 cw(c4660,3851.23) U4.dot@4660,3914 ; 4615.62,3895.62 ccw(c4571.23,3940) U4.dot@4634,3940 ; 4615.62,3895.62 cw(c4660,3851.23) U4.dot@4660,3914 ; 4629.27,3909.27 cw(c4660,3878.54) U4.dot@4660,3922 ; 4629.27,3909.27 ccw(c4598.54,3940) U4.dot@4642,3940 ; 4629.27,3909.27 cw(c4660,3878.54) U4.dot@4660,3922 ; 4629.27,3909.27 ccw(c4598.54,3940) U4.dot@4642,3940 ; 4629.27,3909.27 cw(c4660,3878.54) U4.dot@4660,3922 ; 4629.27,3909.27 ccw(c4598.54,3940) U4.dot@4642,3940 ; 4629.27,3909.27 ccw(c4598.54,3940) U4.dot@4642,3940 ; 4629.27,3909.27 cw(c4660,3878.54) U4.dot@4660,3922 ; 4629.27,3909.27 ccw(c4598.54,3940) U4.dot@4642,3940 ; 4629.27,3909.27 cw(c4660,3878.54) U4.dot@4660,3922
  Bottom Layer w10: P2.10@4555,4860 ccw(c4494.64,4860) 4537.32,4902.68 ccw(c4580,4945.36) P2.10@4580,4885 ; P2.10@4565,4860 ccw(c4528.79,4860) 4554.39,4885.61 ccw(c4580,4911.21) P2.10@4580,4875 ; P2.10@4580,4860 4530,4910 4346,4910 4310,4874 4310,4168 4410,4068 4410,3900 4462,3848 4568,3848 U4.dot@4660,3940 ; U4.dot@4635,3940 cw(c4574.64,3940) 4617.32,3897.32 cw(c4660,3854.64) U4.dot@4660,3915 ; U4.dot@4645,3940 cw(c4608.79,3940) 4634.39,3914.39 cw(c4660,3888.79) U4.dot@4660,3925